# KiCad board pcb.kicad_pcb (continued)
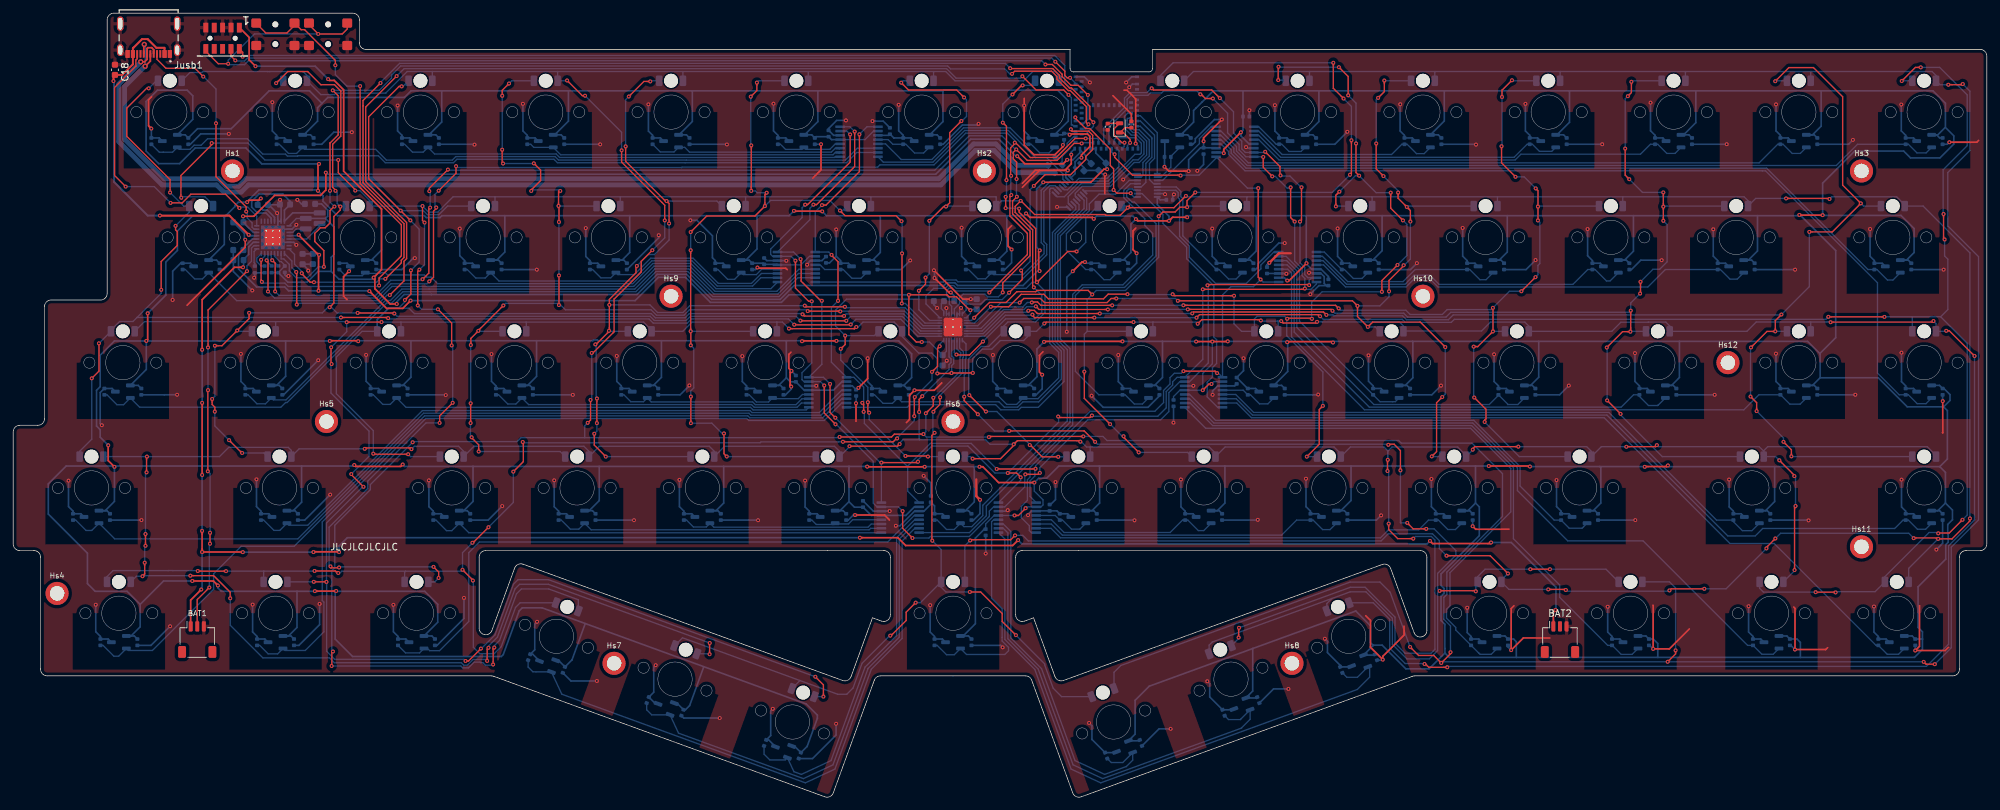
[diagram p0: board, top side]
## Routing (per net, layer and track width the routed paths; a pad name or vN(x,y) marks a point on that pad's centre or on a via; arc(x,y) is an arc through that point) (continued)
GND: length 1259
  Top w0.25: v1(127.79,59.69) 127.79,56.95 ; v1(151.38,83.01) 150.85,83.54 150.85,86.07 151.38,86.61 ; v1(159.9,95) 155.6,95 153.02,92.43 ; 170.21,86.26 169.8,85.85 169.8,82.98 v1(170.34,82.44) ; 289.04,28.99 289.04,22.83 v1(288.4,22.19) 292.95,22.19 293.44,22.68 ; v1(293.57,99.28) 297.73,99.28 298.01,99.56 ; v1(35.18,84.48) 35.18,83.36 26.36,74.53 ; v1(112.85,80.28) 112.96,80.17 117.14,80.17 117.37,79.94 ; 121.23,93.83 122.49,95.09 v1(122.49,98.97) ; v1(128.15,62.02) 129.56,63.43 v1(129.56,66.51) ; v1(292.57,60.01) 292.57,55.24 292.56,55.23 292.55,55.23 ; 165.51,91.48 165.51,94.36 165.54,94.39 v1(165.57,94.39) ; 269.98,28.77 270.16,28.59 v1(270.16,22.34) 274.83,22.34 275.1,22.61 ; 226.79,40.58 221.75,40.58 v1(221.29,41.04) ; 132.88,41.97 132.11,42.74 v1(127.64,42.74) ; v1(160.66,79.71) 162.06,81.11 v1(162.51,81.11) ; 227.56,28.99 227.13,28.56 v1(227.13,22.25) 228.98,24.1 233,24.1 ; v1(159.16,98.86) 159.16,98.6 157.95,97.39 154.77,97.39 153.3,98.86 153.3,105.95 ; 117.93,67.42 117.6,67.09 117.6,64.99 v1(118,64.59) 117.8,64.39 117.8,62.38 v1(117.97,62.21) ; v1(156.02,64.01) 155.6,64.43 155.6,66.94 156.15,67.5 ; 140.79,62.79 139.66,61.66 v1(136.66,61.66) 135.91,60.91 135.91,57.25 135.42,56.76 ; 254.14,25.46 251.12,22.44 v1(248.66,22.44) 248.66,29.02 248.64,29.04 ; C2.2 169.55,103.55 166.75,106.35 ; 205.08,27.48 205.79,26.76 205.79,22.68 v1(207.67,20.81) 207.67,21.31 210.89,24.53 210.89,25.87 ; v1(178.23,94.9) 175.22,94.9 v1(174.56,95.56) ; v1(20.94,101.35) 20.52,101.76 20.52,105.71 21,106.19 ; v1(180.49,99.42) 180.49,99.95 v1(183.26,102.72) ; v1(139.61,79.86) 143.98,75.49 v1(145.19,75.49) ; v1(139.69,78.69) 141.89,76.49 v1(142.17,76.49) ; v1(160.43,97.39) 160.43,96 159.45,95.02 154.98,95.02 153,93.04 ; 168.45,107.16 168.89,107.16 170.19,105.85 v1(170.19,99.07) ; 50.64,75.39 50.09,75.94 50.09,78.88 v1(50.93,79.72)
  Top w0.35: 193.7,82.43 191.9,82.43 v1(190.46,80.99) ; 146.03,48.14 146.03,45.6 v1(146.59,45.04)
  Bottom w0.2: LEDDR1.33 143.1,71.85 LEDDR1.30 LEDDR1.31 143.5,73.94 v1(143.72,74.16) ; LEDDR1.27 LEDDR1.26 v1(141.5,74.13)
  Bottom w0.25: TMR48.3 83.88,42.93 Cvout48.2 82.7,43.33 82.03,44 v1(82.03,48) ; v1(34.53,67.18) 34.53,63 35.2,62.33 Cvout31.2 36.38,61.93 TMR31.3 ; v1(41.72,78.98) 41.37,78.98 41.18,79.17 C13.1 ; Cvcc60.2 43.32,22.97 46.46,26.11 v1(46.46,29.26) ; TMR68.3 202.82,19.7 Cvout68.2 201.21,19.94 199.27,21.88 199.27,23.59 v1(198.89,23.98) ; 124.79,81.99 123.78,80.98 C15.2 ; 124.79,81.99 v1(124.79,86.05) ; 124.79,81.99 125.45,81.33 Cvout21.2 126.63,80.93 TMR21.3 ; Cvcc46.2 44.2,41.97 v1(48.06,45.83) ; Cvcc62.2 84.57,17.57 v1(88.5,17.57) ; v1(112.94,41.95) 112.92,41.97 Cvcc49.2 ; Cvout52.2 159.88,42.93 TMR52.3 ; Cvout52.2 158.26,43.37 C31.2 155.16,43.37 MUXB8.3 154.38,43.32 153.88,42.82 v1(153.88,42.72) ; Cvout52.2 158.69,42.93 ; v1(94.13,41.96) 94.12,41.97 Cvcc48.2 ; Cvcc44.2 292.55,60.03 v1(292.57,60.01) ; v1(39.29,105.35) 39.29,100.99 39.95,100.33 Cvout2.2 41.13,99.93 TMR2.3 ; v1(136.66,61.66) 135.97,60.97 Cvcc36.2 ; Cvcc32.2 65.55,60.97 v1(65.59,60.93) ; v1(178.23,94.9) 178.23,96.63 180.04,98.44 C28.1 ; v1(286.32,48.11) 286.32,43.96 286.95,43.33 Cvout58.2 288.13,42.93 TMR58.3 ; TMR1.3 22.13,99.93 Cvout1.2 20.95,101.34 v1(20.94,101.35) ; MDBT1.33 160.43,97.78 v1(160.43,97.39) ; C7.1 114.25,81.32 MUXB2.14 117.19,81.32 v1(117.22,81.3) ; v1(181.8,86.19) 181.8,81.98 182.45,81.33 Cvout24.2 183.63,80.93 TMR24.3 ; MUXA2.8 169.17,94.49 v1(168.3,93.62) ; TMR49.3 102.88,42.93 Cvout49.2 101.7,43.33 101.02,44.01 v1(101.02,48.08) ; v1(97.42,19.97) 97.12,19.67 97.12,15.87 Cvout63.2 97.4,14.1 TMR63.3 97.78,14.23 ; Cvcc42.2 v1(257.99,60.97) ; TMR26.3 221.63,80.93 Cvout26.2 220.45,81.33 219.78,82 v1(219.78,86.28) ; v1(177.06,48.14) 177.06,43.97 177.7,43.33 Cvout53.2 178.88,42.93 TMR53.3 ; Cvcc24.2 188.36,79.97 188.76,80.37 188.76,80.85 191.89,83.98 v1(192.8,83.98) ; v1(196.68,76.23) 197.98,77.53 C22.1 199.11,77.53 198.78,77.85 198.78,78.89 198.31,79.37 MUXB6.14 ; v1(40.46,90.54) 40.44,90.52 C26.2 ; TMR46.3 38.76,42.93 Cvout46.2 37.58,43.33 36.89,44.01 v1(36.89,48.15) ; TMR39.3 188.38,61.93 Cvout39.2 187.17,61.93 C30.1 186.55,64.63 v1(186.55,66.52) ; Cvcc72.2 v1(288.4,22.19) ; v1(112.85,80.28) 112.54,79.97 Cvcc20.2 ; TMR42.3 247.76,61.93 Cvout42.2 246.57,62.33 245.9,63 v1(245.9,67.29) ; v1(110.55,66.84) 110.55,62.98 111.2,62.33 Cvout35.2 112.38,61.93 TMR35.3 ; C26.2 40.39,89.79 C27.2 38.76,89.79 v1(40.01,88.54) 40.12,88.42 PMIC1.30 ; C26.2 40.62,89.65 PMIC1.31 PMIC1.30 ; v1(230.83,81.41) 229.39,79.97 Cvcc26.2 ; v1(86.82,86.26) 86.82,81.96 87.45,81.33 Cvout19.2 88.63,80.93 TMR19.3 ; v1(292.7,79.95) 292.68,79.97 Cvcc29.2 ; Cvcc9.2 178.86,98.97 179.24,99.35 179.24,99.82 182.14,102.72 v1(183.26,102.72) ; C28.1 182.32,98.44 MUXB5.3 ; C28.1 v1(180.49,99.42) ; C16.2 127.81,59.71 v1(127.79,59.69) ; Cvout7.2 133.56,99.93 133.54,99.91 132.95,100.5 C14.2 132.75,100.32 MUXB1.3 ; Cvout7.2 134.95,100.33 134.26,101.02 v1(134.26,104.95) ; Cvout7.2 136.13,99.93 TMR7.3 ; v1(159.16,98.86) 159.34,99.04 Cvcc8.2 ; 175.81,90.56 C20.1 175.81,91.17 v1(176,91.36) ; v1(146.59,45.04) 146.59,42.95 145.61,41.97 Cvcc51.2 ; TMR13.3 250.13,99.93 Cvout13.2 248.95,100.33 248.26,101.02 v1(248.26,105.28) ; 157.29,44.33 158.04,45.08 v1(158.04,47.73) ; 157.29,44.33 157.29,44.29 ; 157.29,44.33 C31.1 ; TMR33.3 74.38,61.93 Cvout33.2 73.2,62.33 72.52,63.01 v1(72.52,67.15) ; PMIC1.33 40.12,85.6 PMIC1.30 ; PMIC1.33 40.62,86.1 PMIC1.2 42.28,86.1 42.93,86.75 v1(42.93,86.75) ; PMIC1.33 40.12,84.1 PMIC1.6 42.54,84.1 v1(42.93,83.71) ; v1(215.03,48.21) 215.03,44 215.7,43.33 Cvout55.2 216.88,42.93 TMR55.3 ; v1(178.94,62.33) 178.94,62.32 MUXB7.14 ; v1(146.38,102.07) 146.19,101.88 143.92,101.88 141,98.97 Cvcc7.2 ; TMR32.3 55.38,61.93 Cvout32.2 54.2,62.33 53.51,63.02 v1(53.51,67.02) ; v1(221.29,41.04) 221.3,41.05 Cvcc55.2 ; TMR43.3 269.13,61.93 Cvout43.2 267.95,62.33 267.28,63 v1(267.28,67.21) ; v1(207.41,42.69) 206.69,41.97 Cvcc54.2 ; v1(293.57,99.28) 293.26,98.97 Cvcc15.2 ; TMR72.3 283.98,23.93 Cvout72.2 282.8,24.33 282.14,24.99 v1(282.14,28.87) ; v1(51.35,100.8) 48.61,100.8 46.78,98.97 Cvcc2.2 ; Cvcc12.2 v1(240.93,98.97) ; 198.2,79.48 v1(196.48,79.48) ; Cvcc16.2 31.96,79.97 C32.2 33.39,79.66 v1(36.25,76.8) ; Cvcc65.2 149.73,22.97 v1(150.03,22.67) ; v1(291.6,37.5) 292.55,38.45 Cvcc58.2 ; v1(181.06,17.53) 181.42,17.16 181.42,15.14 Cvout67.2 184.97,13.2 TMR67.3 ; v1(67.71,86.18) 67.71,82.07 68.45,81.33 Cvout18.2 69.63,80.93 TMR18.3 ; v1(160.66,79.71) 159.75,78.8 v1(159.75,70.53) ; C33.2 142.69,75.96 v1(142.17,76.49) ; Cvcc70.2 248.13,22.97 v1(248.66,22.44) ; v1(69.95,98.92) 69.9,98.97 Cvcc3.2 ; Cvcc45.2 v1(19.44,41.97) ; v1(153.29,104.84) 153.29,100.99 153.95,100.33 Cvout8.2 155.13,99.93 TMR8.3 ; Cvcc25.2 211.87,79.97 v1(212.84,80.94) ; v1(187.44,104.13) 187.43,104.12 C21.1 ; v1(115.18,13.35) 114.86,13.02 114.86,9.3 Cvout64.2 114.56,8.62 TMR64.3 115.58,7.73 ; v1(191.31,104.9) 191.31,100.97 191.95,100.33 Cvout10.2 193.13,99.93 TMR10.3 ; Cvcc5.2 108.19,98.97 v1(108.22,98.94) ; v1(174.56,95.56) 174.57,95.57 Cvout9.2 174.61,97.09 TMR9.3 ; Cvcc10.2 200.39,98.97 v1(202.28,100.86) ; v1(121.76,62.34) 121.75,62.32 MUXB3.14 ; MUXA1.15 159.59,93.94 159.59,94.65 159.9,94.95 v1(159.9,95) ; TMR60.3 38.16,23.93 Cvout60.2 36.98,24.33 36.3,25 v1(36.3,29.16) ; v1(163.13,11.21) 163.57,10.77 163.57,8.7 Cvout66.2 167.17,6.7 TMR66.3 ; v1(270.16,22.34) 269.53,22.97 Cvcc71.2 ; v1(120.07,47.97) 120.07,43.96 120.7,43.33 Cvout50.2 121.88,42.93 TMR50.3 ; C28.2 180.49,95.89 v1(179.54,94.94) ; v1(8.39,47.95) 8.39,44.01 9.07,43.33 Cvout45.2 10.26,42.93 TMR45.3 ; Cvcc64.2 121.2,5.8 124.77,9.37 v1(124.77,11.08) ; C35.2 145.2,75.48 v1(145.19,75.49) ; v1(167.56,67.01) 167.56,62.97 168.2,62.33 Cvout38.2 169.38,61.93 TMR38.3 ; Cvcc67.2 191.1,16.37 v1(193.35,16.37) ; v1(96.32,105.02) 96.32,100.96 96.95,100.33 Cvout5.2 98.13,99.93 TMR5.3 ; v1(139.61,79.86) 139.69,79.78 v1(139.69,78.69) ; Cvcc50.2 126.61,41.97 127.38,42.74 v1(127.64,42.74) ; TMR6.3 117.13,99.93 Cvout6.2 115.95,100.33 115.28,101 v1(115.28,105.12) ; v1(120.38,80.69) 120.38,80.82 120.88,81.32 MUXB2.3 122.62,81.32 C15.1 ; v1(163.25,108.35) 162.4,109.2 MDBT1.55 ; Cvcc6.2 v1(122.49,98.97) ; v1(133.84,41.11) 134.45,41.11 136.67,43.32 MUXB4.3 138.1,43.32 139.14,44.36 C17.2 139.7,44.12 Cvout51.2 140.88,42.93 TMR51.3 ; v1(60.9,81.7) 60.65,81.7 58.92,79.97 Cvcc17.2 ; Cvcc52.2 169.99,41.97 v1(170.02,41.94) ; Cvcc40.2 215.1,60.97 v1(216.49,62.36) 216.48,62.37 ; C30.2 185.21,62.32 MUXB7.3 182.63,62.32 181.86,61.56 v1(181.86,60.97) ; Cvcc28.2 270.16,79.97 v1(270.18,79.95) ; v1(35.18,84.48) 35.05,84.62 35.05,85.46 33.37,87.14 C19.2 ; v1(91.52,66.86) 91.52,63.01 92.2,62.33 Cvout34.2 93.38,61.93 TMR34.3 ; R6.1 38.09,79.47 R5.1 36.64,78.84 v1(36.53,78.73) ; Cvcc43.2 279.3,60.97 v1(279.31,60.98) ; v1(143.8,86.31) 143.8,81.98 144.45,81.33 Cvout22.2 145.63,80.93 TMR22.3 ; v1(286.31,67.36) 286.31,62.97 286.95,62.33 Cvout44.2 288.13,61.93 TMR44.3 ; v1(186.93,98.54) 187.09,98.37 MUXB5.14 ; 33.38,81.54 33.38,83.06 ; v1(210.31,105.04) 210.29,105.02 210.29,100.99 210.95,100.33 Cvout11.2 212.13,99.93 TMR11.3 ; v1(84.85,60.96) 84.84,60.97 Cvcc33.2 ; v1(169.22,107.62) 169.7,108.1 MDBT1.2 ; Cvcc38.2 173.8,60.81 172.07,59.08 165.26,59.08 v1(163.51,60.83) ; TMR16.3 26.88,80.93 Cvout16.2 25.39,80.93 24.18,79.72 v1(24.18,75.36) ; v1(141.55,66.14) 140.92,65.51 C36.2 ; TMR27.3 240.63,80.93 Cvout27.2 239.45,81.33 238.72,82.06 v1(238.72,86.11) ; v1(281.55,86.12) 281.55,81.98 282.2,81.33 Cvout29.2 283.38,80.93 TMR29.3 ; C25.2 43.71,89.92 v1(43.09,90.54) ; v1(197.87,61.01) 197.83,60.97 Cvcc39.2 ; v1(46.25,66.22) 41,60.97 Cvcc31.2 ; Cvcc53.2 188.67,41.97 v1(188.71,42.01) ; TMR65.3 140.88,23.93 Cvout65.2 139.7,24.33 139.04,24.99 v1(139.04,29.08) ; v1(174.65,91.39) 174.55,91.49 MUXA2.15 ; v1(32.7,100.54) 28.43,100.54 26.86,98.97 Cvcc1.2 ; TMR40.3 207.38,61.93 Cvout40.2 206.2,62.33 205.5,63.03 v1(205.5,66.95) ; C5.1 162.35,95.42 C1.2 162.4,95 C3.2 165.21,94.39 v1(165.57,94.39) ; Cvcc13.2 259.8,98.97 v1(259.81,98.98) ; v1(128.15,62.02) 127.88,61.75 C16.1 127.23,62.32 MUXB3.3 ; v1(97.88,85.17) 97.88,84.79 93.06,79.97 Cvcc19.2 ; v1(158.27,89.46) 158.31,89.42 159.87,89.42 MUXA1.8 ; 157.25,43.32 157.29,43.37 ; Cvcc18.2 79.38,79.97 v1(79.4,79.95) ; TMR15.3 288.13,99.93 Cvout15.2 286.95,100.33 286.28,101 v1(286.28,105) ; TMR30.3 15.01,61.93 Cvout30.2 13.81,61.93 13.19,61.3 13.19,56.61 v1(13.44,56.36) ; Cvcc68.2 207.58,20.72 v1(207.67,20.81) ; v1(193.04,79.32) 192.99,79.37 MUXB6.3 190.12,79.37 C29.2 ; TMR36.3 131.38,61.93 Cvout36.2 130.2,62.33 129.56,62.97 v1(129.56,66.51) ; v1(132.9,43.34) 132.88,43.32 MUXB4.14 130.43,43.32 128.86,44.89 C9.1 ; MDBT1.1 169.6,109.2 v1(168.75,108.35) ; Cvcc37.2 155.11,60.97 156.02,61.88 v1(156.02,64.01) ; v1(278.95,99.63) 278.29,98.97 Cvcc14.2 ; C34.1 139.59,74.63 v1(140.08,74.14) ; v1(175.93,56.76) 175.94,56.77 C23.1 ; v1(241.77,28.83) 241.77,24.98 242.43,24.33 Cvout70.2 243.61,23.93 TMR70.3 ; TMR4.3 79.13,99.93 Cvout4.2 77.95,100.33 77.29,100.99 v1(77.29,105.1) ; v1(170.34,82.44) 170.34,80.95 169.36,79.97 Cvcc23.2 ; Cvcc22.2 150.36,79.97 151.38,80.99 v1(151.38,83.01) ; Cvcc21.2 134.63,79.97 v1(136.01,81.35) 135.99,81.37 ; v1(57.65,29.12) 57.65,25.03 58.35,24.33 Cvout61.2 59.53,23.93 TMR61.3 ; v1(224.54,67.12) 224.54,62.99 225.2,62.33 Cvout41.2 226.38,61.93 TMR41.3 ; Cvcc66.2 173.74,10.31 v1(175.5,10.31) ; v1(63.03,48) 63.03,44 63.7,43.33 Cvout47.2 64.88,42.93 TMR47.3 ; TMR54.3 197.88,42.93 Cvout54.2 196.7,43.33 196.02,44.01 v1(196.02,48.25) ; C14.1 131.91,102.48 v1(130.29,102.48) ; Cvout17.2 50.63,80.93 TMR17.3 51.11,79.9 v1(50.93,79.72) ; 249.93,81.37 v1(249.95,81.39) 246.78,81.39 245.36,79.97 Cvcc27.2 ; TMR14.3 269.13,99.93 Cvout14.2 267.95,100.33 267.29,100.99 v1(267.29,105.02) ; v1(170.19,99.07) 170.55,98.71 MDBT1.15 ; v1(229.29,105.1) 229.29,100.99 229.95,100.33 Cvout12.2 231.13,99.93 TMR12.3 ; Cvcc57.2 272.17,41.97 v1(272.22,41.92) ; v1(147.46,36.9) 147.46,39.63 C24.1 ; v1(24.85,60.98) 22.95,60.98 22.94,60.97 Cvcc30.2 ; v1(162.51,81.11) 162.69,80.93 Cvout23.2 164.63,80.93 TMR23.3 ; v1(107.13,11.95) 101.67,11.95 Cvcc63.2 ; v1(235.87,62.37) 234.47,60.97 Cvcc41.2 ; Cvcc59.2 20.89,22.97 v1(23.79,25.87) ; v1(227.13,22.25) 226.65,22.73 Cvcc69.2 ; v1(200.81,86.2) 200.81,81.97 201.45,81.33 Cvout25.2 202.63,80.93 TMR25.3 ; v1(12.52,29.13) 12.52,25.03 13.22,24.33 Cvout59.2 14.41,23.93 TMR59.3 ; v1(257.77,86.07) 257.77,82.01 258.45,81.33 Cvout28.2 259.63,80.93 TMR28.3 ; v1(79.43,26.55) 79.08,26.2 79.08,22.3 Cvout62.2 78.78,21.62 TMR62.3 79.8,20.73 ; v1(138.05,48.68) 139.14,47.59 C17.1 ; TMR3.3 60.13,99.93 Cvout3.2 58.95,100.33 58.28,101 v1(58.28,104.85) ; v1(68.35,30.17) 68.35,27.06 64.26,22.97 Cvcc61.2 ; LEDDR1.33 143.13,71.87 ; Cvcc56.2 v1(245.95,41.97) ; TMR56.3 235.88,42.93 Cvout56.2 234.7,43.33 234.01,44.02 v1(234.01,48.04) ; C11.2 45.42,80.79 C10.2 44.73,79.94 v1(44.73,79.8) ; v1(74.15,44.1) 72.02,41.97 Cvcc47.2 ; v1(263.13,28.91) 263.13,25 263.8,24.33 Cvout71.2 264.98,23.93 TMR71.3 ; v1(126.27,102.59) 124.86,102.59 123.63,101.36 C6.1 123.64,101.08 124.4,100.32 MUXB1.14 ; Cvcc4.2 88.99,98.97 v1(89,98.96) ; TMR37.3 150.38,61.93 Cvout37.2 149.2,62.33 148.52,63.01 148.52,66.98 v1(148.55,67.01) ; MUXB8.14 150.65,43.32 v1(150.8,43.48) ; v1(220.46,28.68) 220.46,24.92 221.05,24.33 Cvout69.2 222.23,23.93 TMR69.3 ; TMR20.3 107.63,80.93 Cvout20.2 106.45,81.33 106.02,81.75 106.02,85.08 103.67,87.44 v1(102.68,87.44) ; TMR57.3 262.01,42.93 Cvout57.2 260.82,43.33 260.18,43.97 v1(260.18,48.12) ; 117.81,62.3 117.84,62.33 117.85,62.33 v1(117.97,62.21) 117.97,61.83 117.11,60.97 Cvcc35.2 ; v1(118,64.59) 118.67,63.92 C8.1 ; v1(221.8,98.92) 221.75,98.97 Cvcc11.2 ; v1(102.54,62.39) 101.12,60.97 Cvcc34.2
  Bottom w0.35: v1(190.46,80.99) 190.11,80.64 C29.1
VCCS: length 2375.7
  Top w0.2: v1(181.69,62.61) 181.31,62.61 v1(180.37,61.67) ; v1(151.82,42.67) 152.43,42.67 153.51,43.76 v1(153.51,43.78)
  Top w0.25: v1(15.35,50.05) 14.41,50.99 v1(14.41,53.32) ; v1(37.55,90.75) 37.3,90.49 35.78,90.49 v1(35.47,90.18) ; v1(200.12,68.9) 199.98,69.04 193.25,69.04 v1(193.16,68.95) ; v1(163.85,87.66) 163.62,87.88 154.17,87.88 v1(153.58,88.47) ; v1(59.06,50.4) 58.77,50.11 51.93,50.11 v1(51.72,50.32) ; v1(178,87.9) 175.8,87.9 v1(175.25,87.35) 170.5,87.35 v1(170.23,87.62) ; v1(48.01,69.14) 48.04,69.17 52.24,69.17 v1(52.31,69.1) ; v1(48.96,31.22) 48.94,31.2 v1(45.74,31.2) ; v1(146.51,50.06) 147.02,50.06 149.42,47.66 v1(154.83,47.66) ; v1(129.48,50.08) 129.51,50.05 v1(138.21,50.05) ; v1(118.38,88.87) 118.42,88.83 122.63,88.83 v1(122.67,88.79) ; v1(20.18,69.14) 20.39,69.35 v1(20.39,73.33) ; v1(161.97,96.93) 161.97,97.35 163.25,98.62 163.25,100.17 162.9,100.52 160.3,100.52 v1(160.19,100.41) ; v1(156.3,69) 156.38,69.07 v1(168.2,69.07) ; v1(223.74,50.17) 229.89,50.17 v1(229.97,50.09) ; v1(124.83,69.15) 119.66,69.15 v1(119.61,69.1) ; v1(196.1,80.92) 196.1,80.91 193.48,78.3 v1(193.18,78.3) ; v1(179.36,69.05) v1(181.82,69.05) 184.13,69.05 v1(184.16,69.08) ; v1(247.38,50.05) 247.42,50.09 250.73,50.09 v1(250.9,50.26) ; v1(186.15,100.79) 183.55,98.19 v1(183.55,97.61) ; v1(31.04,32.04) 30.36,32.73 27.16,32.73 v1(27.16,32.73) ; v1(46.22,91.91) 46.22,95.83 v1(46.37,95.99) ; v1(274.36,88.22) 270.86,88.22 v1(270.82,88.26)
  Bottom w0.2: v1(153.51,43.78) 153.71,43.97 MUXB8.2 155.85,43.97 156.15,44.27 156.15,45.03 154.82,46.37 154.82,47.65 v1(154.83,47.66) ; MUXB2.2 120.74,81.97 119.44,80.67 MUXB2.13 ; MUXB7.2 182.06,62.97 v1(181.69,62.61) ; v1(181.82,69.05) 181.82,65.68 180.37,64.23 v1(180.37,61.67) MUXB7.13 176.9,61.67 175.94,60.71 C23.2 ; MUXB1.2 130.46,100.97 129.16,99.67 MUXB1.13 ; v1(151.82,42.67) MUXB8.13 148.73,42.67 147.45,41.39 C24.2
  Bottom w0.25: 145.67,50.07 146.49,50.07 v1(146.51,50.06) ; 145.67,50.07 145.73,50.02 145.73,44.73 144.4,43.4 TMR51.1 144.83,43.4 Cvcc51.1 ; 145.67,50.07 138.24,50.07 v1(138.21,50.05) ; Cvcc25.1 206.58,81.4 TMR25.1 206.14,81.4 207.56,82.82 207.56,88.14 ; Cvcc65.1 144.83,24.4 TMR65.1 144.03,24.4 145.89,26.26 145.89,39.24 147.25,40.6 C24.2 ; v1(20.39,73.33) 23.14,76.08 23.14,81.1 24.9,82.86 24.9,85.81 27.16,88.07 31.84,88.07 32.01,87.91 ; Cvcc55.1 220.83,43.4 TMR55.1 220.57,43.4 221.73,44.55 ; 98.29,69.17 88.67,69.17 88.55,69.28 88,69.28 87.88,69.17 79.36,69.17 ; 98.29,69.17 117.21,69.17 ; 98.29,69.17 98.29,63.62 97.07,62.4 TMR34.1 97.33,62.4 Cvcc34.1 ; 126.73,44.76 127.56,43.93 C9.2 130.11,42.67 MUXB4.13 135.34,42.67 136.64,43.97 MUXB4.2 ; 126.73,44.76 126.73,50.1 126.72,50.11 ; 126.73,44.76 125.37,43.4 TMR50.1 125.83,43.4 Cvcc50.1 ; 15.35,50.17 8.04,50.17 5.32,47.46 5.32,42.88 11.25,36.95 11.25,32.34 12.42,31.17 17.26,31.17 19.25,29.18 ; 15.35,50.17 v1(15.35,50.05) 15.35,44.8 13.95,43.4 TMR45.1 14.21,43.4 Cvcc45.1 ; 15.35,50.17 43.73,50.17 ; 74.54,88.14 93.48,88.14 ; 74.54,88.14 65,88.14 64.71,87.85 62.64,87.85 62.35,88.14 55.84,88.14 ; 74.54,88.14 74.54,82.62 73.32,81.4 TMR18.1 73.58,81.4 Cvcc18.1 ; 93.48,88.14 93.48,82.56 92.32,81.4 TMR19.1 92.58,81.4 Cvcc19.1 ; 93.48,88.14 112.78,88.14 ; 117.21,69.17 117.23,69.15 117.23,63.55 ; 117.21,69.17 119.54,69.17 v1(119.61,69.1) ; 41.31,69.14 41.31,63.78 39.93,62.4 TMR31.1 40.33,62.4 Cvcc31.1 ; 41.31,69.14 v1(48.01,69.14) ; 41.31,69.14 v1(20.18,69.14) ; 126.72,50.11 129.45,50.11 v1(129.48,50.08) ; 126.72,50.11 107.73,50.11 ; 291.63,100.4 292.1,99.93 Cvcc15.1 ; 291.63,100.4 291.82,100.4 292.98,101.55 292.98,105.18 291.09,107.07 274.13,107.07 ; 291.63,100.4 TMR15.1 ; Cvcc14.1 273.08,100.4 TMR14.1 272.82,100.4 274.13,101.71 274.13,107.07 ; 32.01,87.91 32.01,83.77 TMR16.1 30.83,81.4 Cvcc16.1 ; 32.01,87.91 33.62,89.52 33.62,89.66 34.14,90.18 v1(35.47,90.18) 35.47,90.27 37.25,92.05 46.08,92.05 v1(46.22,91.91) 46.98,91.15 46.98,90.32 49.17,88.14 55.84,88.14 ; v1(156.3,69) 155.23,67.92 155.23,63.72 153.91,62.4 TMR37.1 154.33,62.4 Cvcc37.1 ; v1(163.85,87.66) 164.27,88.08 169.77,88.08 v1(170.23,87.62) 169.48,86.86 169.48,82.55 168.32,81.4 TMR23.1 168.58,81.4 Cvcc23.1 ; Cvcc32.1 59.33,62.4 TMR32.1 59.07,62.4 60.31,63.64 60.31,69.17 ; v1(20.18,69.14) 20.18,64.81 TMR30.1 18.95,62.4 Cvcc30.1 ; v1(20.18,69.14) 15.35,69.14 13.19,66.97 13.19,62.2 12.64,61.65 12.64,56.23 13.19,55.68 13.19,54.54 v1(14.41,53.32) ; 221.73,44.55 222.3,43.98 222.3,39.6 216.5,33.8 216.5,32.06 216.96,31.61 216.96,30.87 216.5,30.41 216.5,26.75 217.08,26.17 217.08,22.51 217.09,22.5 217.09,21.82 217.08,21.81 ; 221.73,44.55 221.73,50.16 221.72,50.17 ; 19.25,29.18 22.8,32.73 v1(27.16,32.73) ; 19.25,29.18 19.25,25.78 17.87,24.4 TMR59.1 18.36,24.4 Cvcc59.1 ; MUXB5.13 187.38,99.02 186.15,100.25 v1(186.15,100.79) 186.47,101.11 C21.2 186.47,107.04 186.5,107.07 ; 274.13,107.07 255.13,107.07 ; TMR68.1 206.34,21.49 Cvcc68.1 ; TMR68.1 206.18,22.92 206.18,23 ; TMR68.1 204.75,21.57 ; 131.47,88.13 123.33,88.13 v1(122.67,88.79) ; 131.47,88.13 131.48,88.12 131.48,82.55 130.32,81.4 TMR21.1 130.58,81.4 Cvcc21.1 ; 131.47,88.13 150.66,88.13 ; 86.73,26.27 84.72,20.76 84.72,20.76 Cvcc62.1 82.66,20.71 TMR62.1 ; 216.99,107.07 216.99,102.5 TMR11.1 216.08,100.4 Cvcc11.1 ; 216.99,107.07 235.91,107.07 ; 216.99,107.07 197.96,107.07 ; 140.98,107.05 140.98,102.4 138.97,100.4 TMR7.1 140.08,100.4 Cvcc7.1 ; 140.98,107.05 141.1,107.17 158.36,107.17 159.98,105.55 159.98,102.48 TMR8.1 159.13,100.4 Cvcc8.1 159.99,100.61 v1(160.19,100.41) ; 140.98,107.05 140.95,107.07 122.01,107.07 ; 267.08,50.07 267.08,44.78 265.69,43.4 TMR57.1 265.95,43.4 Cvcc57.1 ; 267.08,50.07 251.08,50.07 v1(250.9,50.26) ; 267.08,50.07 292.11,50.07 ; 55.84,88.14 55.85,88.13 55.85,82.92 54.32,81.4 TMR17.1 54.58,81.4 Cvcc17.1 ; Cvcc60.1 42.1,24.4 TMR60.1 41.74,24.4 43.03,25.69 43.03,31.17 ; 227.91,21.15 217.74,21.15 217.08,21.81 ; 227.91,21.15 249.36,21.15 ; 227.91,21.15 227.91,23.52 227.5,23.93 Cvcc69.1 226.18,24.4 TMR69.1 ; Cvcc47.1 68.83,43.4 TMR47.1 68.32,43.4 69.73,44.81 69.73,50.09 69.71,50.11 ; 150.66,88.13 153.23,88.13 v1(153.58,88.47) ; 150.66,88.13 150.66,82.74 149.32,81.4 TMR22.1 149.58,81.4 Cvcc22.1 ; 196.07,88.14 188.41,88.14 ; 196.07,88.14 207.56,88.14 ; 196.07,88.14 196.06,88.13 196.06,80.96 v1(196.1,80.92) 196.1,80.8 196.88,80.02 MUXB6.13 198.31,80.02 199.42,78.91 C22.2 ; 188.41,88.14 177.78,88.14 177.78,88.12 v1(178,87.9) ; 188.41,88.14 188.48,88.07 188.48,82.78 187.1,81.4 TMR24.1 187.58,81.4 Cvcc24.1 ; 64.97,107.07 84.19,107.07 ; 64.97,107.07 60.32,107.07 59.32,106.07 47.72,106.07 46.82,105.18 ; 64.97,107.07 64.98,107.07 64.98,102.34 63.03,100.4 TMR3.1 64.08,100.4 Cvcc3.1 ; 84.19,107.07 102.92,107.07 ; 84.19,107.07 84.19,102.48 82.11,100.4 TMR4.1 83.08,100.4 Cvcc4.1 ; 174.26,69.07 174.26,63.59 173.07,62.4 TMR38.1 173.33,62.4 Cvcc38.1 ; 174.26,69.07 179.33,69.07 v1(179.36,69.05) ; 174.26,69.07 v1(168.2,69.07) ; Cvcc46.1 42.7,43.4 TMR46.1 42.45,43.4 43.73,44.68 43.73,50.17 ; 117.23,63.55 117.84,62.94 C8.2 119.94,61.67 MUXB3.13 124.37,61.67 125.67,62.97 MUXB3.2 ; 117.23,63.55 116.07,62.4 TMR35.1 116.33,62.4 Cvcc35.1 ; 187.99,22.51 172.26,16.78 170.11,14.63 170.11,9.5 TMR66.1 ; 187.99,22.51 203.54,28.16 203.58,28.16 205.79,25.95 205.79,23.39 206.18,23 ; 187.99,22.51 187.94,22.46 187.94,16.04 TMR67.1 ; 79.36,69.17 60.31,69.17 ; 79.36,69.17 79.36,63.77 77.99,62.4 TMR33.1 78.33,62.4 Cvcc33.1 ; 249.36,21.15 249.36,23.25 248.68,23.93 Cvcc70.1 247.56,24.4 TMR70.1 ; 249.36,21.15 271,21.15 ; Cvcc9.1 178.08,100.4 TMR9.1 177.05,100.4 178.98,102.32 178.98,104.08 179.35,104.45 179.35,104.46 180.21,105.32 180.22,105.32 181.97,107.07 186.5,107.07 ; 186.5,107.07 197.96,107.07 ; 112.78,88.14 117.65,88.14 v1(118.38,88.87) ; 112.78,88.14 112.78,83.09 111.09,81.4 TMR20.1 111.58,81.4 Cvcc20.1 113.69,80.93 C7.2 ; TMR44.1 292.08,62.4 Cvcc44.1 292.74,61.93 293.67,61 293.67,60.12 292.7,59.15 ; 207.56,88.14 226.54,88.14 ; 102.92,107.07 102.98,107.02 102.98,102.42 100.95,100.4 TMR5.1 102.08,100.4 Cvcc5.1 ; 102.92,107.07 122.01,107.07 ; Cvcc26.1 225.58,81.4 TMR26.1 225.32,81.4 226.54,82.62 226.54,88.14 ; 69.71,50.11 59.35,50.11 v1(59.06,50.4) ; 69.71,50.11 88.86,50.11 ; 273.93,67.23 276.34,69.64 276.34,82.85 270.93,88.26 v1(270.82,88.26) 270.7,88.14 264.48,88.14 ; 273.93,67.23 273.98,67.18 273.98,63.55 272.82,62.4 TMR43.1 273.08,62.4 Cvcc43.1 ; 273.93,67.23 272.09,69.07 252.64,69.07 ; 292.7,59.15 287.19,59.15 282.78,63.56 273.98,63.56 ; 292.7,59.15 293.27,58.58 293.27,51.23 292.11,50.07 ; Cvcc2.1 45.08,100.4 TMR2.1 44.07,100.4 46.15,102.48 46.15,104.51 46.82,105.18 ; 46.82,105.18 44.92,107.07 38.81,107.07 33.06,101.33 27.95,101.33 Cvcc1.1 26.08,100.4 TMR1.1 27.23,102.74 27.23,106.31 26.37,107.17 21.87,107.17 20.15,105.45 20.15,97.93 22.06,96.03 25.23,96.03 27.6,98.4 35.29,98.4 37.7,95.99 v1(46.37,95.99) ; v1(247.38,50.05) 247.35,50.09 240.58,50.09 ; 255.13,107.07 255.13,102.25 253.28,100.4 TMR13.1 254.08,100.4 Cvcc13.1 ; 255.13,107.07 235.91,107.07 ; TMR67.1 188.49,14.99 Cvcc67.1 ; TMR67.1 186.9,15.07 ; TMR66.1 169.1,8.57 ; TMR66.1 170.69,8.49 Cvcc66.1 ; v1(154.83,47.66) 155.5,48.32 156.7,48.32 158.54,50.17 164.66,50.17 ; 183.72,50.17 202.85,50.17 ; 183.72,50.17 183.73,50.16 183.73,44.55 182.57,43.4 TMR53.1 182.83,43.4 Cvcc53.1 ; 183.72,50.17 164.66,50.17 ; 202.85,50.17 221.72,50.17 ; 202.85,50.17 202.85,44.94 201.31,43.4 TMR54.1 201.83,43.4 Cvcc54.1 ; Cvcc58.1 292.08,43.4 TMR58.1 291.82,43.4 292.98,44.55 ; 60.31,69.17 52.39,69.17 v1(52.31,69.1) ; Cvcc27.1 244.58,81.4 TMR27.1 244.32,81.4 245.67,82.75 245.67,88.14 ; 212.19,69.07 231.31,69.07 ; 212.19,69.07 200.29,69.07 v1(200.12,68.9) ; 212.19,69.07 212.23,69.04 212.23,63.55 211.07,62.4 TMR40.1 211.33,62.4 Cvcc40.1 ; 231.31,69.07 231.31,63.64 230.07,62.4 TMR41.1 230.33,62.4 Cvcc41.1 ; 231.31,69.07 252.64,69.07 ; 206.18,23 207.56,23 211.16,19.41 214.68,19.41 217.08,21.81 ; 292.11,50.07 292.98,49.21 292.98,44.55 ; TMR64.1 118.43,7.71 Cvcc64.1 120.37,7.64 120.38,7.64 121.93,11.91 121.93,12.39 120.24,14.08 83.31,27.52 ; 197.96,107.07 197.98,107.06 197.98,102.41 195.96,100.4 TMR10.1 197.08,100.4 Cvcc10.1 ; Cvcc52.1 163.83,43.4 TMR52.1 163.57,43.4 164.73,44.55 164.73,50.1 164.66,50.17 ; Cvcc61.1 63.48,24.4 TMR61.1 64.38,26.48 64.38,29.18 62.39,31.17 49.01,31.17 v1(48.96,31.22) 48.82,31.08 48.82,23.93 51.47,21.28 74.01,21.28 74.31,21.58 76.72,28.2 77.18,28.66 80.19,28.66 83.34,27.51 ; 88.86,50.11 88.86,44.93 87.33,43.4 TMR48.1 87.83,43.4 Cvcc48.1 ; 88.86,50.11 107.73,50.11 ; 43.73,50.17 51.56,50.17 v1(51.72,50.32) ; 271,21.15 270.98,21.17 270.98,23.43 270.48,23.93 Cvcc71.1 268.93,24.4 TMR71.1 ; 271,21.15 288.28,21.15 289.49,22.36 289.49,23.92 ; 245.67,88.14 226.54,88.14 ; 245.67,88.14 264.48,88.14 ; Cvcc39.1 192.33,62.4 TMR39.1 193.25,64.51 193.25,68.86 v1(193.16,68.95) 193.16,69.04 193.12,69.08 v1(184.16,69.08) ; 43.03,31.17 45.71,31.17 v1(45.74,31.2) ; 43.03,31.17 31.55,31.17 31.04,31.68 v1(31.04,32.04) ; MUXB6.2 192.75,78.72 v1(193.18,78.3) ; 252.64,69.07 252.64,63.59 251.44,62.4 TMR42.1 251.71,62.4 Cvcc42.1 ; 292.98,44.55 294.04,43.49 294.04,42.02 293.33,41.31 293.33,39.9 293.39,39.84 293.39,38.61 293.02,38.24 293.02,36.05 288.83,31.85 288.83,25.69 289.49,25.03 289.49,23.92 ; 221.72,50.17 v1(223.74,50.17) ; v1(183.55,97.61) 183.45,97.72 MUXB5.2 ; 135.55,61.93 135.08,62.4 TMR36.1 135.05,62.4 136.23,63.58 136.23,67.18 134.26,69.15 v1(124.83,69.15) ; TMR72.1 287.93,24.4 Cvcc72.1 289.48,23.93 289.49,23.92 ; 104.71,19.73 102.57,13.84 101.93,13.2 Cvcc63.1 100.63,14.21 TMR63.1 ; C7.2 115.8,80.76 MUXB2.13 ; C7.2 113.83,80.76 ; Cvcc56.1 239.83,43.4 TMR56.1 239.57,43.4 240.73,44.55 240.73,49.94 240.58,50.09 ; 264.48,88.14 264.48,82.79 263.09,81.4 TMR28.1 263.58,81.4 Cvcc28.1 ; 122.01,107.07 122.01,102.41 120,100.4 TMR6.1 121.08,100.4 Cvcc6.1 121.74,100.12 C6.2 124.08,99.67 MUXB1.13 ; Cvcc12.1 235.08,100.4 TMR12.1 234.07,100.4 235.98,102.3 235.98,107.01 235.91,107.07 ; Cvcc49.1 106.83,43.4 TMR49.1 106.57,43.4 107.73,44.56 107.73,50.11 ; 240.58,50.09 v1(229.97,50.09) ; MUXA1.16 161.01,94.52 C5.2 161,95.42 161,96.3 161.63,96.93 v1(161.97,96.93) ; v1(175.25,87.35) 175.25,88.05 173.47,89.83 MUXA2.16 173.91,90.55 C20.2 ; Cvcc29.1 287.33,81.4 TMR29.1 287.07,81.4 288.23,82.55 288.23,86.18 286.24,88.17 274.41,88.17 v1(274.36,88.22) 274.36,93.08 279.22,97.94 286.64,97.94 287.68,96.9 292.14,96.9 294.25,99 294.25,100.24 293.07,101.42 ; v1(37.55,90.75) 37.07,90.27 C27.1 37.87,88.98 38.52,88.98 39.62,87.88 PMIC1.29